# Altium PCB power-v3.2-exp.PcbDoc (part 1 of 2)
Units mil, origin at the board's own origin, x right, y up, seen from the top; angles counter-clockwise.
Board outline 6141.73 x 2071.1 mil, 4 copper layers (Top Layer, Layer 1, Layer 2, Bottom Layer), stack 60.469 mil thick; 174 components, 103 nets, 497 pads, 581 vias.
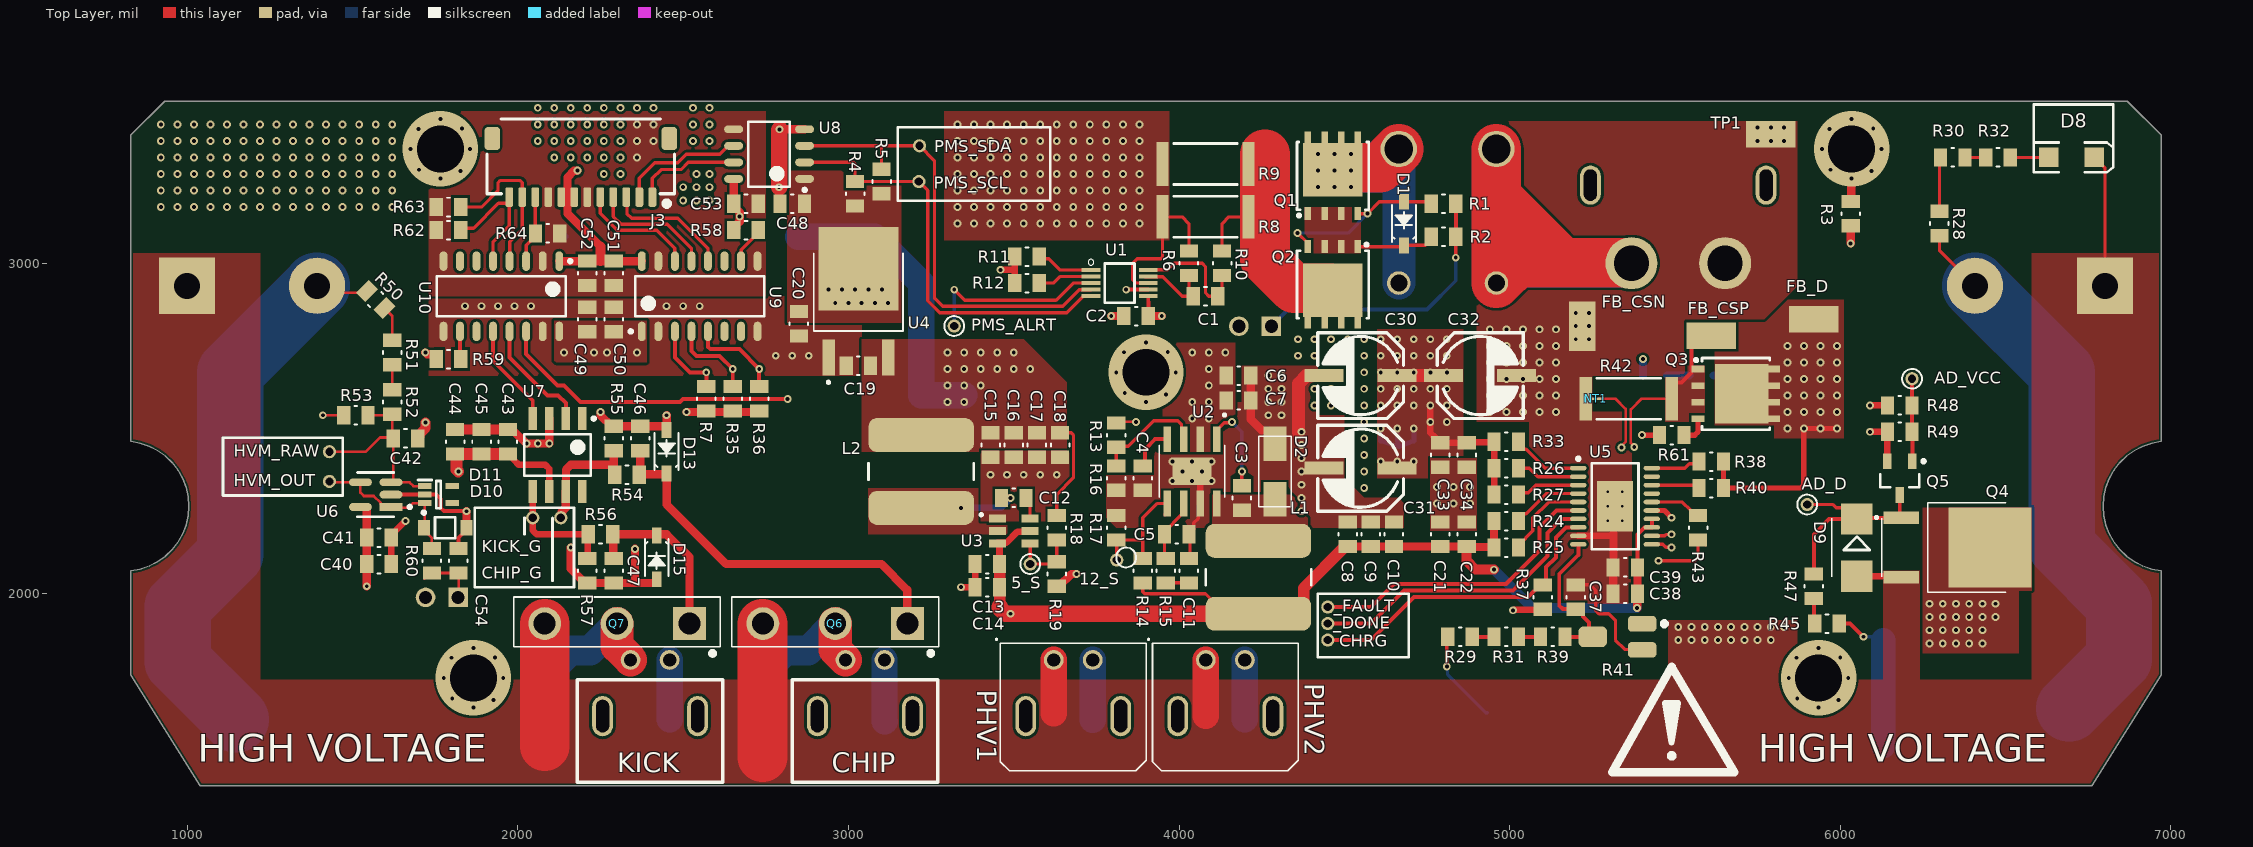
[diagram p0: Top Layer view]
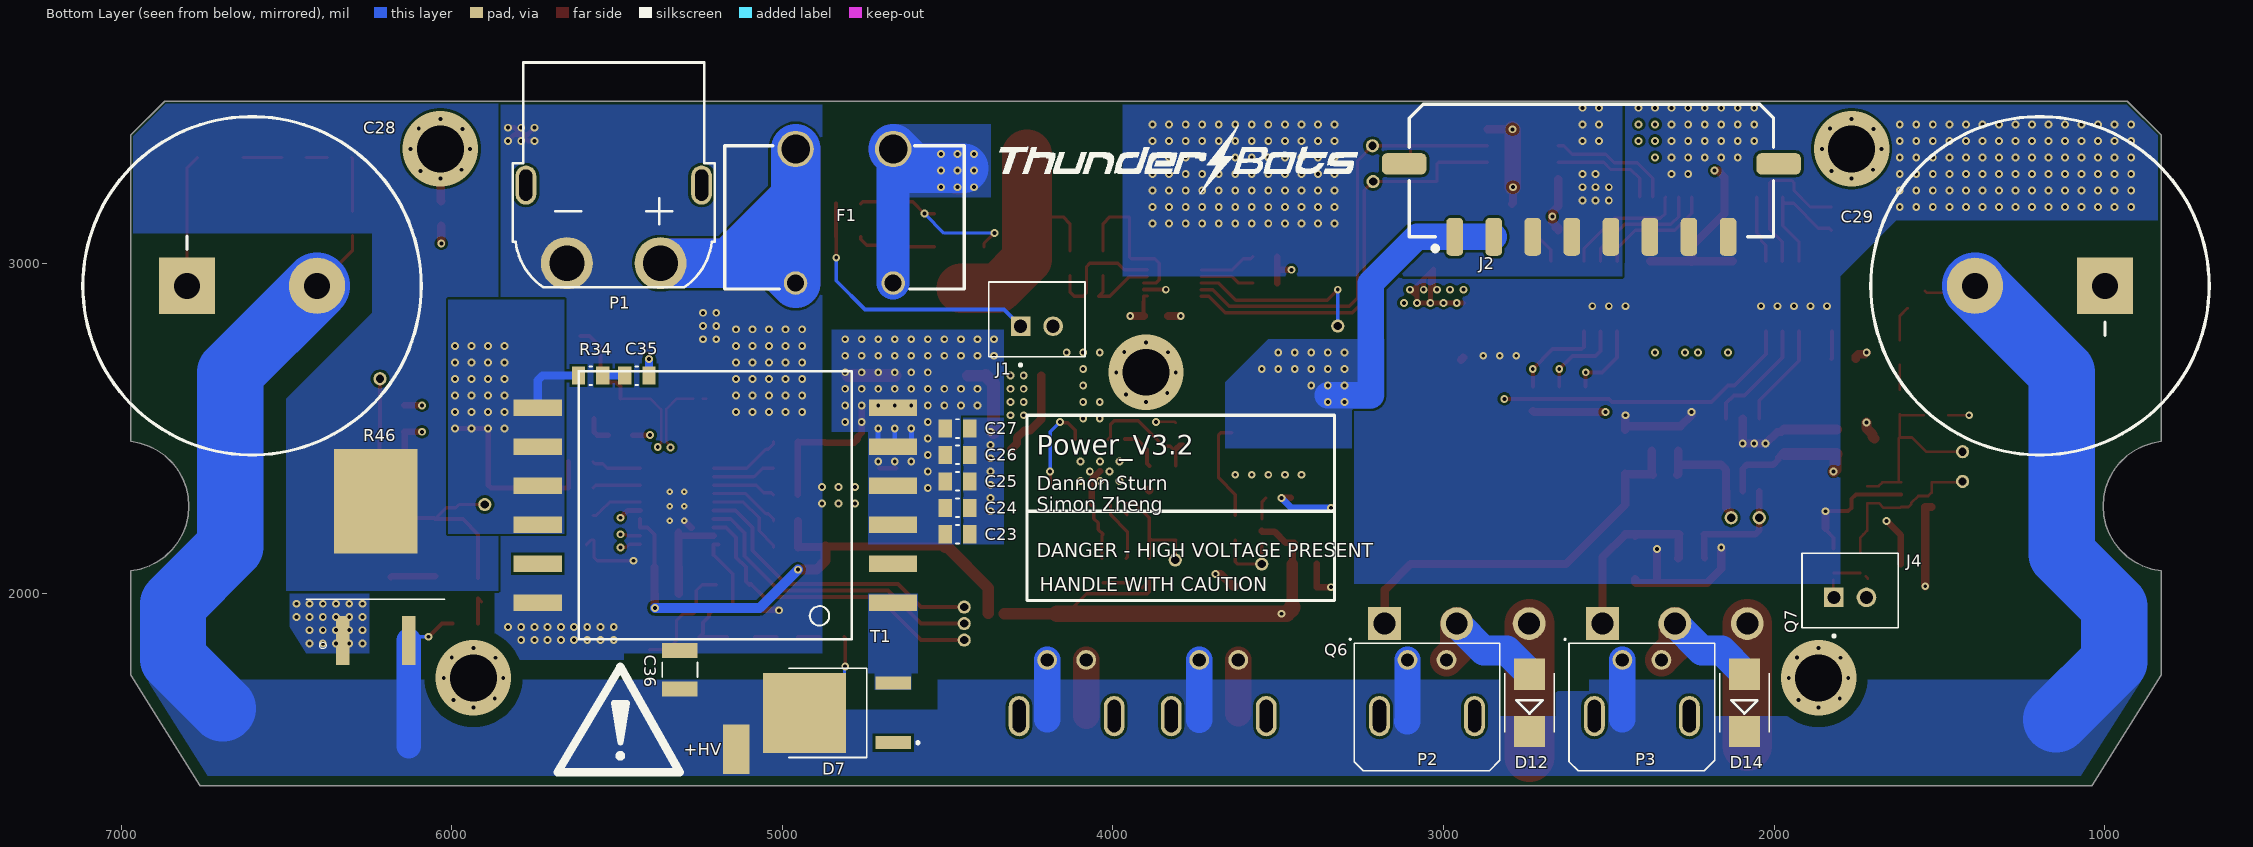
[diagram p1: Bottom Layer view, seen from below]
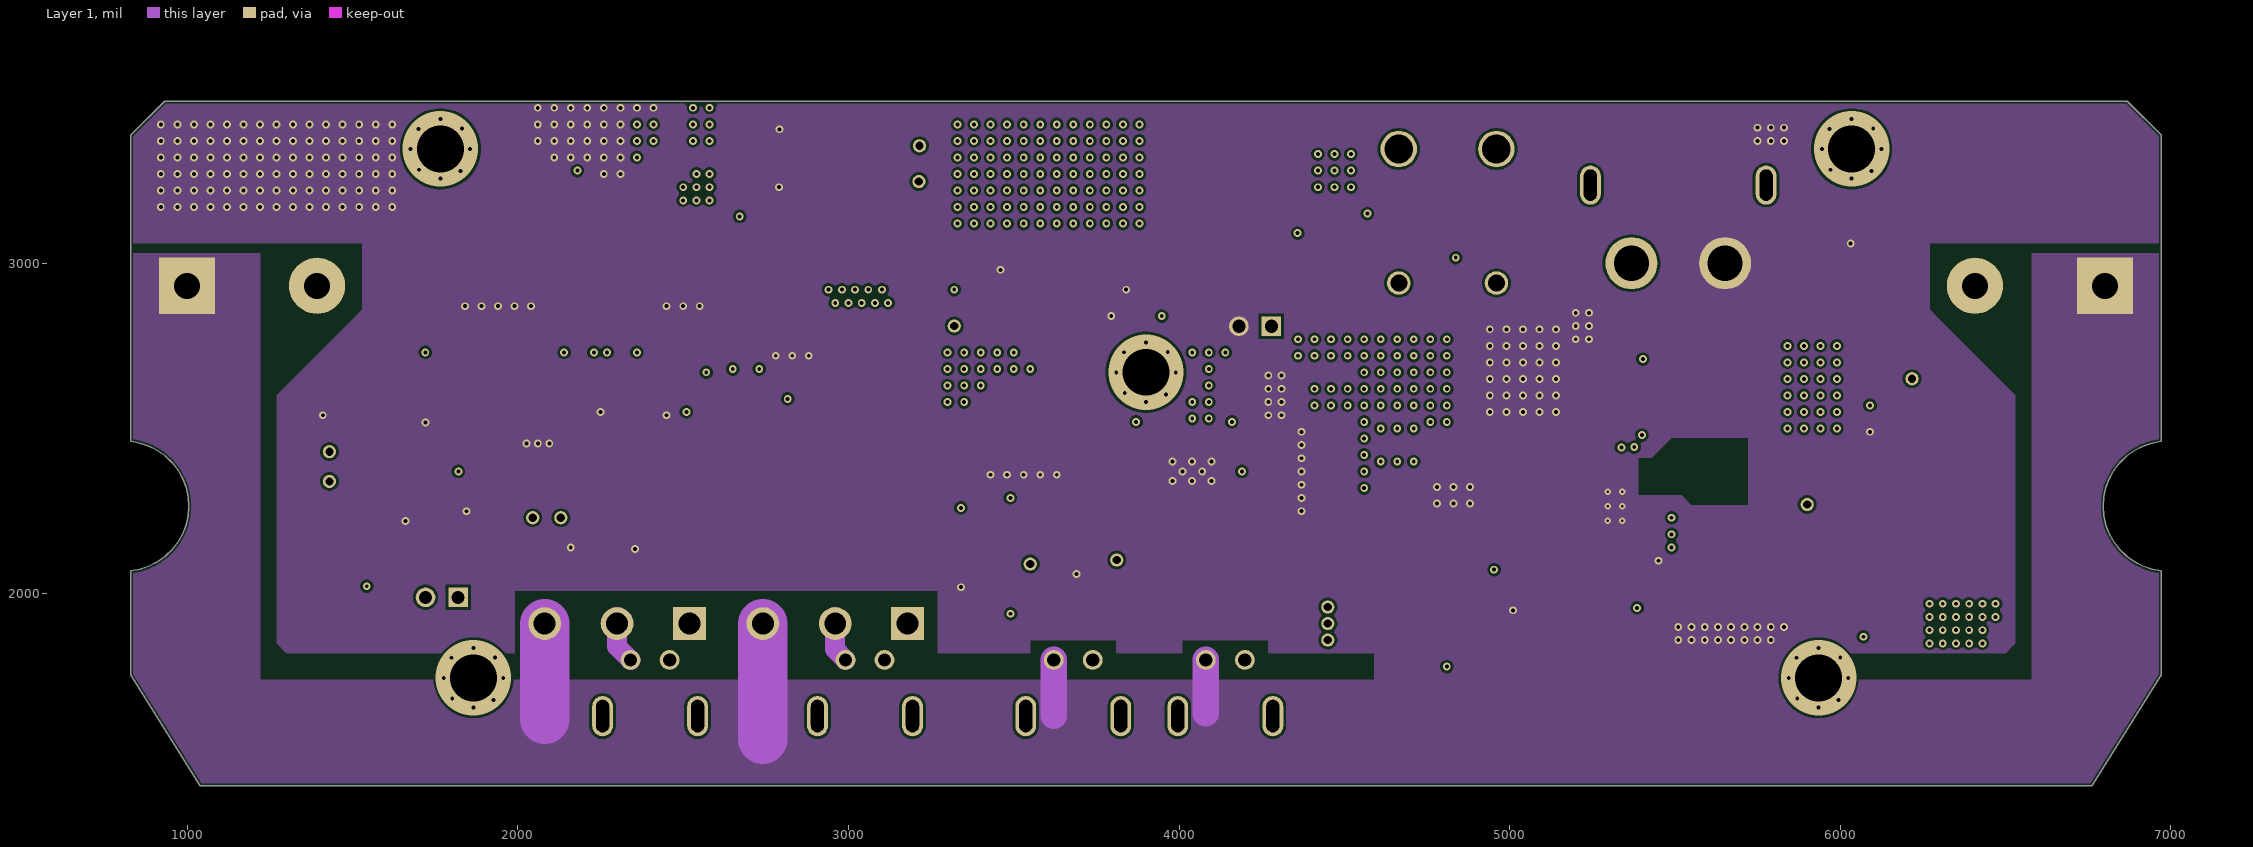
[diagram p2: Layer 1]
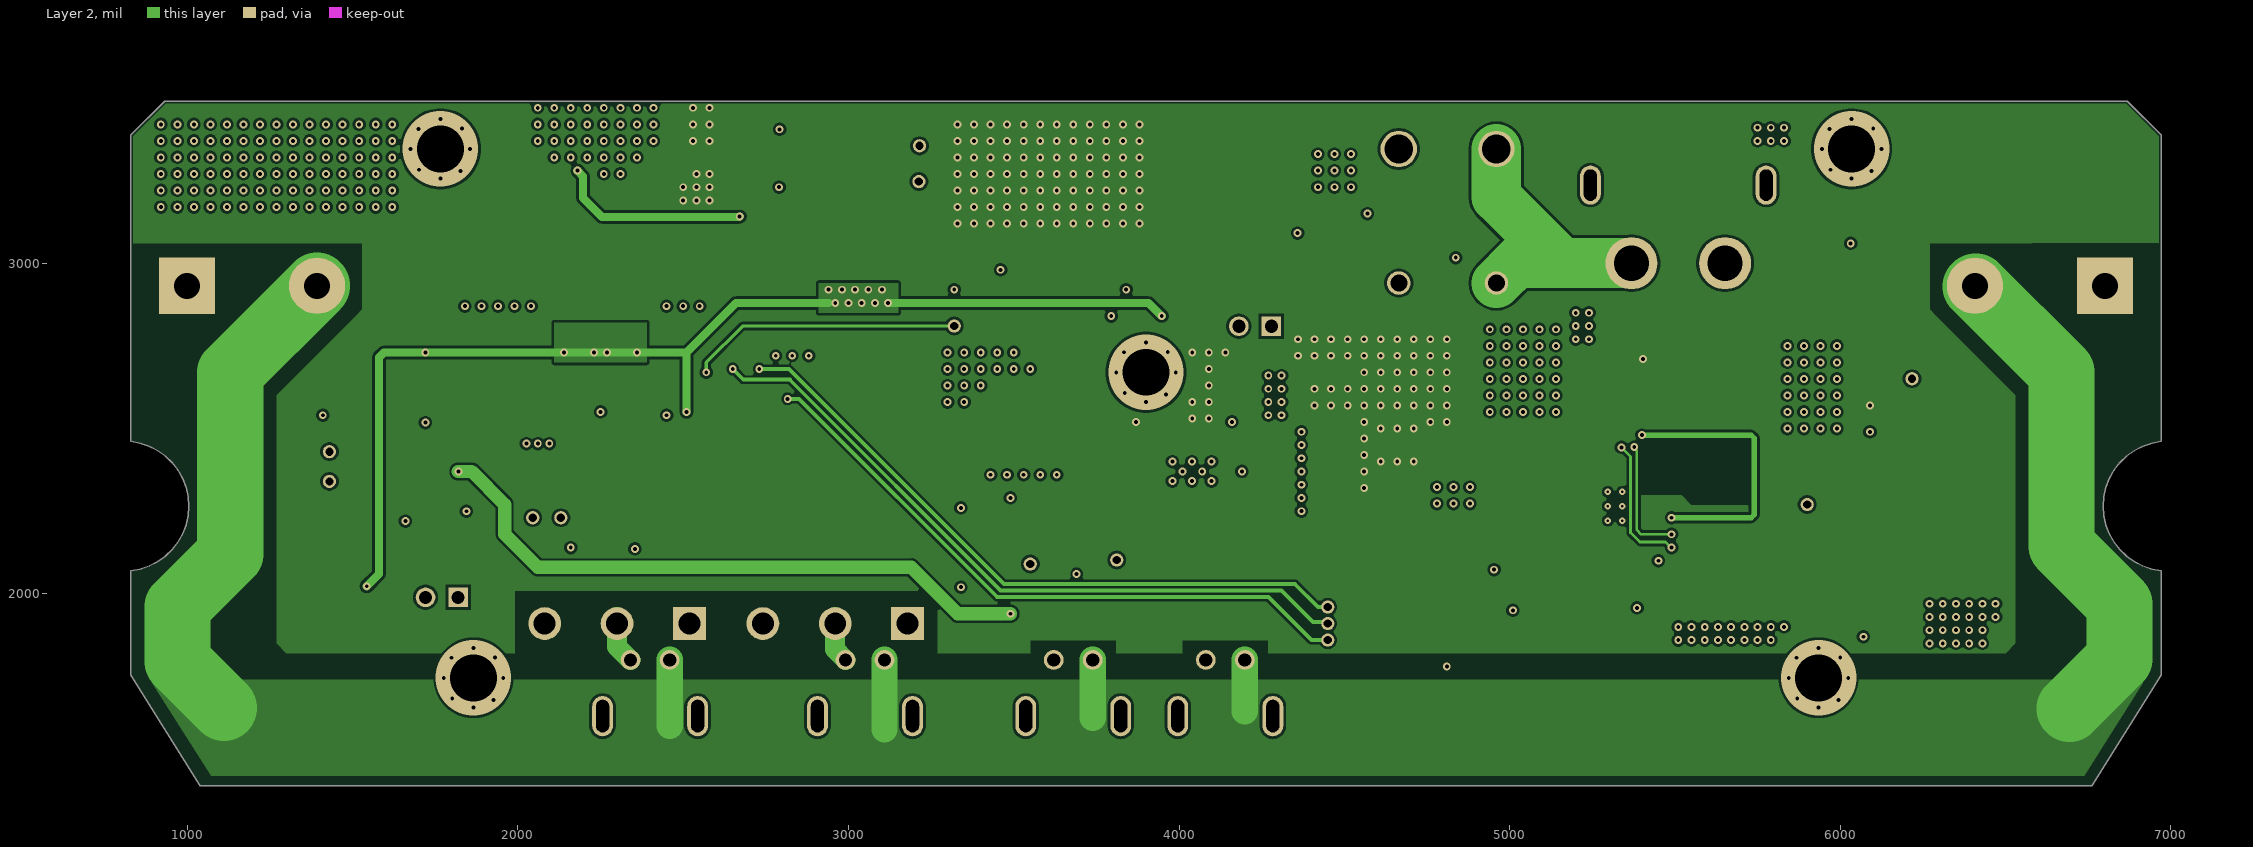
[diagram p3: Layer 2]

## Layer stack, top to bottom
Top Solder: solder mask 0.4, Solder Resist, Dk 3.5
Top Layer: signal copper 1.378
Dielectric 2: prepreg 7.874, PP-006, Dk 4.1
Layer 1: signal copper 0.018
Dielectric 1: dielectric 41.929, FR-4, Dk 4.8
Layer 2: signal copper 0.018
Dielectric 3: prepreg 7.874, PP-006, Dk 4.1
Bottom Layer: signal copper 1.378
Bottom Solder: solder mask 0.4, Solder Resist, Dk 3.5

## Board outline
6970.87,2460.98 6970.87,3387.4 6868.27,3490 931.73,3490 829.13,3387.4 829.13,2460.98 857.42,2455.79 884.65,2446.53 910.24,2433.4 933.64,2416.68 954.36,2396.73 971.95,2373.98 986.04,2348.9 996.32,2322.04 1002.58,2293.97 1004.68,2265.29 1002.58,2236.6 996.32,2208.53 986.04,2181.67 971.95,2156.6 954.36,2133.84 933.64,2113.89 910.24,2097.18 884.65,2084.05 857.42,2074.79 829.13,2069.59 829.13,1754.63 1039.37,1418.9 6760.63,1418.9 6970.87,1754.63 6970.87,2069.59 6942.58,2074.79 6915.35,2084.05 6889.76,2097.18 6866.36,2113.89 6845.64,2133.84 6828.05,2156.6 6813.96,2181.67 6803.68,2208.53 6797.42,2236.6 6795.32,2265.29 6797.42,2293.97 6803.68,2322.04 6813.96,2348.9 6828.05,2373.98 6845.64,2396.73 6866.36,2416.68 6889.76,2433.4 6915.35,2446.53 6942.58,2455.79

## Design rules (kind name [scope] priority, off if disabled: settings)
BoardOutlineClearance [All] p1: gap=7.87 ignorepadtopadclearanceinfootprint=FALSE except(15.75: Arc-SplitBarrior Arc-SplitContinuation Track-SplitBarrior Track-SplitContinuation SMDPad-SplitBarrior SMDPad-SplitContinuation THPad-SplitBarrior THPad-SplitContinuation Via-SplitBarrior Via-SplitContinuation Fill-SplitBarrior Fill-SplitContinuation Poly-SplitBarrior Poly-SplitContinuation Region-SplitBarrior Region-SplitContinuation Text-SplitBarrior Text-SplitContinuation)
Clearance "Clearance Bottom Layer" [OnLayer('Bottom Layer')] p1: gap=8 ignorepadtopadclearanceinfootprint=TRUE except(10: Arc-Text Track-Text SMDPad-Text THPad-Text Via-Text Fill-Text Poly-Text Region-Text Text-Text)
Clearance "Clearance Top Layer" [OnLayer('Top Layer')] p2: gap=8 ignorepadtopadclearanceinfootprint=TRUE except(10: Arc-Text Track-Text SMDPad-Text THPad-Text Via-Text Fill-Text Poly-Text Region-Text Text-Text)
Clearance [All] p3: gap=7.87 ignorepadtopadclearanceinfootprint=FALSE except(3.5: Arc-Arc Arc-Track Arc-SMDPad Track-Track Track-SMDPad SMDPad-SMDPad; 5: Arc-Via Track-Via SMDPad-Via THPad-Via Via-Via; 10: Arc-Text Track-Text SMDPad-Text THPad-Text Via-Text Fill-Text Poly-Text Region-Text Text-Text)
HoleSize [All] p1: absolutevalues=TRUE maxlimit=248.03 minlimit=7.87 maxpercent=80.000 minpercent=20.000
MinimumAnnularRing [All] p1: minimumring=3
MinimumSolderMaskSliver [All] p1: minsoldermaskwidth=3.94
PolygonConnect PolygonConnect_2 [All vs IsNamedPolygon('NONET_L01_P-001')] p1: connectstyle=Direct reliefconductorwidth=10 reliefentries=4 polygonreliefangle="90 Angle" airgapwidth=10
PolygonConnect [All vs IsNamedPolygon('s') Or IsNamedPolygon('s') Or IsNamedPolygon('s') Or IsNamedPolygon('s') Or IsNamedPolygon('s') Or IsNamedPolygon('s') Or IsNamedPolygon('s') Or IsNamedPolygon('s') Or IsNamedPolygon('s') Or IsNamedPolygon('s') Or IsNamedPolygon('s') Or IsNamedPolygon('s') Or IsNamedPolygon('s') Or IsNamedPolygon('s') Or IsNamedPolygon('s') Or IsNamedPolygon('s') Or IsNamedPolygon('s') Or IsNamedPolygon('s') Or IsNamedPolygon('s') Or IsNamedPolygon('s') Or IsNamedPolygon('s') Or IsNamedPolygon('s') Or IsNamedPolygon('s') Or IsNamedPolygon('s') Or IsNamedPolygon('s') Or IsNamedPolygon('s') Or IsNamedPolygon('s') Or IsNamedPolygon('s') Or IsNamedPolygon('s') Or IsNamedPolygon('s') Or IsNamedPolygon('s') Or IsNamedPolygon('s') Or IsNamedPolygon('s') Or IsNamedPolygon('s') Or IsNamedPolygon('s') Or IsNamedPolygon('s') Or IsNamedPolygon('s') Or IsNamedPolygon('s')] p2: connectstyle=Direct reliefconductorwidth=10 reliefentries=4 polygonreliefangle="90 Angle" airgapwidth=10
PolygonConnect PolygonConnect_1 [All] p3: thpad.connectstyle=Relief thpad.reliefconductorwidth=20 thpad.reliefentries=4 thpad.polygonreliefangle="90 Angle" thpad.airgapwidth=10 smdpad.connectstyle=Relief smdpad.reliefconductorwidth=20 smdpad.reliefentries=4 smdpad.polygonreliefangle="90 Angle" smdpad.airgapwidth=10 via.connectstyle=Direct via.reliefconductorwidth=20 via.reliefentries=4 via.polygonreliefangle="90 Angle" via.airgapwidth=10
RoutingCorners [All] p1: cornerstyle=Round minsetback=100 maxsetback=100
RoutingVias [All] p1: holewidth=19.68 width=39.37 viastyle="Through Hole" minholewidth=7.87 minwidth=17.72 maxholewidth=39.37 maxwidth=78.74
SilkToSilkClearance [All] p1: silktosilkclearance=3.94
SilkToSolderMaskClearance [IsPad] p1: minsilkscreentomaskgap=3.94 clearancetoexposedcopper=TRUE
SolderMaskExpansion [All] p1: expansion=4 istentingtop=FALSE
Width [All] p1: maxlimit=200 minlimit=3.5 preferedwidth=15
25 further rules are at their usual default settings.

## Classes and differential pairs
component class "Power Regulation": 5_S 12_S C3 C4 C5 C6 C7 C8 C9 C10 C11 C12 C13 C14 C15 C16 C17 C18 C19 C20 D2 L1 L2 R13 R14 R15 R16 R17 R18 R19 U2 U3 U4
component class "Power Input": C1 C2 D1 F1 J1 P1 PMS_ALRT PMS_SCL PMS_SDA Q1 Q2 R1 R2 R3 R4 R5 R6 R7 R8 R9 R10 R11 R12 TP1 U1
component class "Kicker and Chipper": C43 C44 C45 C46 C47 CHIP_G D12 D13 D14 D15 KICK_G P2 P3 Q6 Q7 R54 R55 R56 R57 U7
component class HV-Measurement: C40 C41 C42 D10 D11 HVM_OUT HVM_RAW R50 R51 R52 R53 U6
component class "Flyback Converter": +HV _DONE _FAULT C21 C22 C23 C24 C25 C26 C27 C28 C29 C30 C31 C32 C33 C34 C35 C36 C37 C38 C39 CHRG D7 D8 FB_CSN FB_CSP FB_D NT1 PHV1 PHV2 Q3 R24 R25 R26 R27 R28 R29 R30 R31 R32 R33 R34 R35 R36 R37 R38 R39 R40 R41 R42 R43 R61 T1 U5
component class "Connections and Communications": C48 C49 C50 C51 C52 C53 C54 J2 J3 J4 R58 R59 R60 R62 R63 R64 U8 U9 U10
component class "Auto Discharge": AD_D AD_VCC D9 Q4 Q5 R45 R46 R47 R48 R49

## Components (designator, comment, footprint, x,y, rotation, side; value= is the part's Value field where it differs from the comment)
5_S "Test Point (Via)" TP#1 3550,2090 r180 top
12_S "Test Point (Via)" TP#1 3811.44,2102.24 r90 top
+HV "Test Point - 5019" TP380X203 5140,1530 r90 bottom
_DONE "Test Point (Via)" TP#2 4450,1910 r90 top
_FAULT "Test Point (Via)" TP#2 4450,1960 r90 top
AD_D "Test Point (Via)" TP#2 5900,2270 r0 top
AD_VCC "Test Point (Via)" TP#2 6217.04,2650.5 r90 top
C1 "100nF 50V" 0805 4080,2900 r180 top value=100nF
C2 "100nF 50V" 0805 3870,2840 r0 top value=100nF
C3 "100nF 50V" 0805 4190,2290 r270 top value=100nF
C4 "8.2nF 50V" 0805 3890,2350 r90 top value=8.2nF
C5 "10pF" 0805 3993,2180 r180 top
C6 "10uF" 0805 4180,2660 r0 top
C7 "10uF" 0805 4180,2585.12 r0 top
C8 "10uF" 0805 4510,2180 r90 top
C9 "10uF" 0805 4580,2180 r90 top
C10 "10uF" 0805 4650,2180 r90 top
C11 "2700pF 50V" 0805 4030,2070 r270 top value=2700pF
C12 "100nF 50V" 0805 3500,2290 r180 top value=100nF
C13 "10uF" 0805 3420,2090 r180 top
C14 "10uF" 0805 3420,2020 r180 top
C15 "10uF" 0805 3430,2450 r270 top
C16 "10uF" 0805 3500,2450 r270 top
C17 "10uF" 0805 3570,2450 r270 top
C18 "10uF" 0805 3640,2450 r270 top
C19 "10uF" 0805 3030,2690 r180 top
C20 "10uF" 0805 2850,2817 r270 top
C21 "10uF" 0805 4790,2180 r270 top
C22 "0.10uF" 0805 4870,2180 r270 top
C23 "10uF" 0805 4470,2180 r0 bottom
C24 "10uF" 0805 4470,2260 r0 bottom
C25 "10uF" 0805 4470,2340 r0 bottom
C26 "10uF" 0805 4470,2420 r0 bottom
C27 "10uF" 0805 4470,2500 r0 bottom
C28 "1000uF 250V" "RADIAL, CAN - THRU 25.4mm" 6801,2931.67 r180 bottom locked
C29 "1000uF 250V" "RADIAL, CAN - THRU 25.4mm" 999,2931.67 r0 bottom locked
C30 "100uF 35V" "CAP POL ALU 6.3x5.8" 4550,2660 r0 top value=10uF
C31 "100uF 35V" "CAP POL ALU 6.3x5.8" 4550,2380 r0 top value=10uF
C32 "100uF 35V" "CAP POL ALU 6.3x5.8" 4910,2660 r180 top value=10uF
C33 "10uF" 0805 4790,2420 r90 top
C34 "0.10uF" 0805 4870,2420 r90 top
C35 "2.2uF" 0805 5440,2660 r180 bottom
C36 "0.1uF" 1210 5310,1770 r90 bottom
C37 "0.10uF" 0805 5200,1990 r90 top
C38 "10uF" 0805 5350,2000 r180 top
C39 "0.10uF" 0805 5350,2080 r180 top
C40 "1.0uF" 0805 1580,2090 r180 top
C41 "0.010uF" 0805 1580,2170 r0 top
C42 "0.010uF" 0805 1660,2470 r180 top
C43 "0.1uF 25V" 0805 1970,2460 r270 top value=0.1uF
C44 "10uF" 0805 1810,2460 r90 top
C45 "10uF" 0805 1890,2460 r90 top
C46 "0.1uF 25V" 0805 2370,2470 r270 top value=0.1uF
C47 "0.1uF 25V" 0805 2290,2070 r90 top value=0.1uF
C48 "0.1uF 25V" 0805 2830,3180 r180 top value=0.1uF
C49 "0.1uF 25V" 0805 2210,2830 r90 top value=0.1uF
C50 "0.1uF 25V" 0805 2290,2830 r90 top value=0.1uF
C51 "0.1uF 25V" 0805 2290,2970 r270 top value=0.1uF
C52 "0.1uF 25V" 0805 2210,2970 r270 top value=0.1uF
C53 "0.1uF 25V" 0805 2690,3180 r0 top value=0.1uF
C54 "0.010uF" 0805 1820,2100 r90 top
CHIP_G "Test Point (Via)" TP#1 2130,2230 r90 top
CHRG "Test Point (Via)" TP#2 4450,1860 r90 top
D1 "3SMBJ5929B-TP" SOD-123 4680,3120 r90 top
D2 "40V 3A" DO-214AC 4290,2370 r270 top
D7 "VS-5EWH06FN-M3" "DPAK (TO-252)" 4830,1640 r90 bottom
D8 "LED2" 3.2X1.6X1.1 6700,3320 r0 top
D9 "3SMBJ5929B-TP" DO-214AA 6050,2140 r270 top
D10 "MMSZ4684T1G" ONSC-SOD-123-2-425-04_V 1780,2200 r0 top
D11 "DIODE TVS CPDV5-3V3UP" SOT65P230X110-5N 1760,2300 r0 top
D12 "SD560BTR" DO-214AA 2740,1670 r90 bottom
D13 "SM5817PL-TP" SOD-123 2450,2430 r90 top
D14 "SD560BTR" DO-214AA 2090,1670 r90 bottom
D15 "SM5817PL-TP" SOD-123 2420,2110 r270 top
F1 "3557-2" FUSE-3549-2 4812.36,3345.51 r0 bottom
FB_CSN "Test Point - 5019" TP380X203 5220,2810 r90 top
FB_CSP "Test Point - 5019" TP380X203 5610,2780 r180 top
FB_D "Test Point - 5019" TP380X203 5920,2830 r0 top
HVM_OUT "Test Point (Via)" TP#1 1430,2340 r90 top
HVM_RAW "Test Point (Via)" TP#1 1430,2430 r90 top
J1 "CN HDR 2POS JST XH" JST_S2B-XH-A(LF)(SN) 4230,2830 r180 bottom
J2 "CN HDR 8POS Molex 43650-0812 (R)" "CN 43650-0812" 2552.83,3300.47 r0 bottom
J3 "20239612" "CN 20239612" 2190.31,3377.17 r180 top
J4 "CN HDR 2POS JST XH" JST_S2B-XH-A(LF)(SN) 1770,2010 r180 bottom
KICK_G "Test Point (Via)" TP#1 2045,2230 r90 top
L1 "SRN8040TA-150M" INDP8279X40M 4240,2050 r270 top
L2 "SRN8040-3R3Y" INDP8279X40M 3220,2370 r90 top
NT1 "8mil Nettie" NT_8mil 5260,2590 r180 top
P1 "XT60" Amass_XT60PW-M 5510,3000 r180 bottom value=N/A
P2 "4365002" 43650-02 3050,1630 r180 bottom value=N/A
P3 "4365002" 43650-02 2400,1630 r180 bottom value=N/A
PHV1 "4365002" 43650-02 3680,1630 r0 top value=N/A
PHV2 "4365002" 43650-02 4140,1630 r0 top value=N/A
PMS_ALRT "Test Point (Via)" TP#1 3320,2810 r90 top
PMS_SCL "Test Point (Via)" TP#1 3213,3247 r90 top